# KiCad board PCB.kicad_pcb (continued)
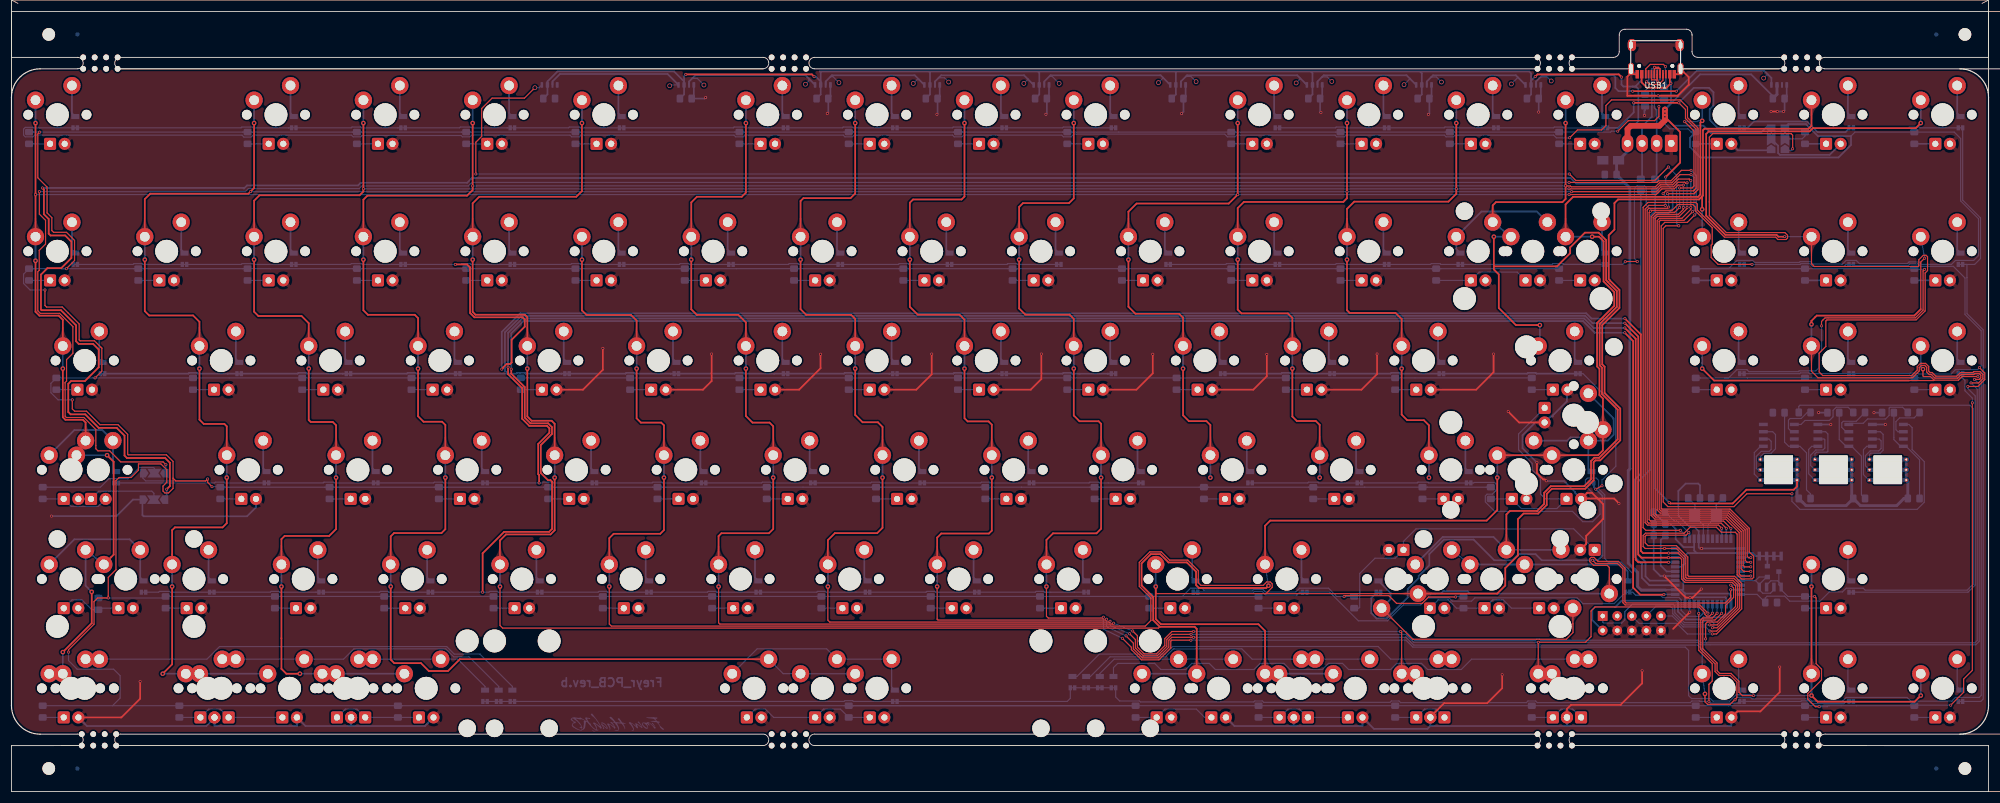
[diagram p0: board, top side]
## Copper pours and planes (outline as drawn; the poured copper is in the pictures) (continued)
Net-(D88-Pad2) on Bottom: 186.9,38.87 186.91,39.13 186.94,39.38 186.98,39.62 187.05,39.85 187.13,40.07 187.23,40.29 187.34,40.49 187.48,40.69 187.63,40.88 187.8,41.06 186.75,42.88 185.7,41.06 185.87,40.88 186.03,40.69 186.16,40.49 186.28,40.29 186.38,40.07 186.46,39.85 186.52,39.62 186.57,39.38 186.59,39.13 186.6,38.87
Net-(D89-Pad2) on Bottom: 320.2,19.7 320.21,19.97 320.24,20.23 320.29,20.49 320.35,20.73 320.44,20.97 320.54,21.19 320.67,21.41 320.81,21.62 320.97,21.82 321.15,22.01 320.1,23.83 319.05,22.01 319.23,21.82 319.39,21.62 319.54,21.41 319.66,21.19 319.76,20.97 319.85,20.73 319.92,20.49 319.96,20.23 319.99,19.97 320,19.7
Net-(D90-Pad2) on Bottom: 339.25,19.7 339.26,19.97 339.29,20.23 339.34,20.49 339.4,20.73 339.49,20.97 339.59,21.19 339.72,21.41 339.86,21.62 340.02,21.82 340.2,22.01 339.15,23.83 338.1,22.01 338.28,21.82 338.44,21.62 338.59,21.41 338.71,21.19 338.81,20.97 338.9,20.73 338.97,20.49 339.01,20.23 339.04,19.97 339.05,19.7
Net-(D91-Pad2) on Top: 272.26,29.24 272.27,29.38 272.3,29.54 272.34,29.69 272.41,29.85 272.5,30.02 272.6,30.19 272.72,30.36 272.87,30.53 273.03,30.71 273.21,30.9 272.16,32.72 271.11,30.9 271.29,30.71 271.45,30.53 271.59,30.36 271.72,30.19 271.82,30.02 271.91,29.85 271.97,29.69 272.02,29.54 272.05,29.38 272.06,29.24
Net-(D91-Pad2) on Top: 241.28,29.65 241.1,29.85 240.93,30.05 240.79,30.27 240.66,30.49 240.56,30.71 240.47,30.95 240.4,31.19 240.36,31.44 240.33,31.69 240.32,31.95 238.29,32.5 238.84,30.47 239.1,30.46 239.35,30.44 239.6,30.39 239.84,30.32 240.08,30.24 240.3,30.13 240.52,30 240.74,29.86 240.94,29.69 241.14,29.51
Net-(D91-Pad2) on Bottom: 240.27,33.63 240.23,33.6 240.16,33.57 240.07,33.54 239.96,33.52 239.83,33.5 239.67,33.49 239.5,33.48 239.3,33.47 239.08,33.47 238.84,33.47 238.29,31.44 240.32,31.98 240.32,32.23 240.32,32.45 240.33,32.64 240.34,32.82 240.36,32.97 240.37,33.11 240.4,33.22 240.42,33.31 240.45,33.37 240.48,33.42
Net-(D92-Pad2) on Bottom: 225,38.87 225.01,39.13 225.04,39.38 225.08,39.62 225.15,39.85 225.23,40.07 225.33,40.29 225.44,40.49 225.58,40.69 225.73,40.88 225.9,41.06 224.85,42.88 223.8,41.06 223.97,40.88 224.13,40.69 224.26,40.49 224.38,40.29 224.48,40.07 224.56,39.85 224.62,39.62 224.67,39.38 224.69,39.13 224.7,38.87
Net-(D93-Pad2) on Bottom: 277.39,96.02 277.4,96.28 277.43,96.53 277.47,96.77 277.53,97 277.61,97.22 277.71,97.44 277.83,97.64 277.97,97.84 278.12,98.03 278.29,98.21 277.24,100.03 276.19,98.21 276.36,98.03 276.51,97.84 276.65,97.64 276.77,97.44 276.86,97.22 276.95,97 277.01,96.77 277.05,96.53 277.08,96.28 277.09,96.02
Net-(D94-Pad1) on Bottom: 4.44,89.02 4.62,89.01 4.79,88.99 4.96,88.96 5.12,88.92 5.28,88.86 5.43,88.79 5.58,88.71 5.72,88.61 5.85,88.51 5.98,88.38 7.25,89.12 5.98,89.85 5.85,89.73 5.72,89.63 5.58,89.53 5.43,89.45 5.28,89.38 5.12,89.32 4.96,89.28 4.79,89.25 4.62,89.23 4.44,89.22
Net-(D95-Pad1) on Bottom: 9.2,69.97 9.38,69.96 9.55,69.94 9.72,69.91 9.89,69.87 10.04,69.81 10.2,69.74 10.34,69.66 10.48,69.56 10.61,69.46 10.74,69.33 12.02,70.07 10.74,70.8 10.61,70.68 10.48,70.58 10.34,70.48 10.2,70.4 10.04,70.33 9.89,70.27 9.72,70.23 9.55,70.2 9.38,70.18 9.2,70.17
Net-(D96-Pad1) on Bottom: 10.48,49.79 10.42,49.86 10.36,49.94 10.31,50.04 10.27,50.14 10.24,50.26 10.21,50.39 10.19,50.53 10.17,50.68 10.16,50.84 10.16,51.01 8.74,51.39 9.12,49.97 9.29,49.97 9.45,49.96 9.6,49.94 9.74,49.92 9.87,49.89 9.99,49.86 10.09,49.82 10.19,49.77 10.27,49.71 10.34,49.65
Net-(D96-Pad1) on Bottom: 15.43,49.9 15.46,49.91 15.5,49.93 15.55,49.94 15.63,49.95 15.72,49.96 15.82,49.96 15.94,49.97 16.08,49.97 16.23,49.97 16.4,49.97 16.78,51.39 15.36,51.01 15.36,50.84 15.36,50.69 15.36,50.55 15.36,50.43 15.35,50.32 15.34,50.23 15.33,50.16 15.32,50.1 15.31,50.06 15.29,50.04
Net-(D96-Pad1) on Bottom: 6.82,50.92 7,50.91 7.17,50.89 7.34,50.86 7.51,50.82 7.66,50.76 7.81,50.69 7.96,50.61 8.1,50.51 8.23,50.41 8.36,50.28 9.64,51.02 8.36,51.75 8.23,51.63 8.1,51.53 7.96,51.43 7.81,51.35 7.66,51.28 7.51,51.22 7.34,51.18 7.17,51.15 7,51.13 6.82,51.12
Net-(D96-Pad2) on Bottom: 14.83,52.12 14.81,52.11 14.77,52.1 14.72,52.09 14.65,52.08 14.56,52.08 14.46,52.07 14.34,52.07 14.21,52.07 14.05,52.07 13.88,52.07 13.5,50.65 14.92,51.03 14.92,51.2 14.92,51.35 14.92,51.49 14.93,51.61 14.93,51.71 14.94,51.8 14.94,51.87 14.95,51.92 14.96,51.96 14.97,51.98
Net-(D98-Pad1) on Bottom: 16.34,31.87 16.52,31.86 16.7,31.84 16.87,31.81 17.03,31.77 17.19,31.71 17.34,31.64 17.49,31.56 17.62,31.46 17.76,31.36 17.89,31.23 19.16,31.97 17.89,32.7 17.76,32.58 17.62,32.48 17.49,32.38 17.34,32.3 17.19,32.23 17.03,32.17 16.87,32.13 16.7,32.1 16.52,32.08 16.34,32.07
Net-(D98-Pad1) on Bottom: 10.49,33.49 10.39,33.4 10.28,33.32 10.17,33.25 10.04,33.18 9.91,33.13 9.77,33.09 9.62,33.06 9.46,33.04 9.29,33.02 9.12,33.02 8.74,31.6 10.16,31.98 10.16,32.15 10.18,32.32 10.2,32.48 10.23,32.63 10.27,32.77 10.33,32.9 10.39,33.02 10.46,33.14 10.54,33.25 10.63,33.35
Net-(D100-Pad1) on Bottom: 6.82,12.82 7,12.81 7.17,12.79 7.34,12.76 7.51,12.72 7.66,12.66 7.81,12.59 7.96,12.51 8.1,12.41 8.23,12.31 8.36,12.18 9.64,12.92 8.36,13.65 8.23,13.53 8.1,13.43 7.96,13.33 7.81,13.25 7.66,13.18 7.51,13.12 7.34,13.08 7.17,13.05 7,13.03 6.82,13.02
Net-(D102-Pad1) on Bottom: 213.99,112.83 214.17,112.83 214.34,112.81 214.51,112.78 214.67,112.73 214.83,112.67 214.98,112.6 215.13,112.52 215.27,112.43 215.4,112.32 215.53,112.2 216.8,112.93 215.53,113.67 215.4,113.55 215.27,113.44 215.13,113.34 214.98,113.26 214.83,113.19 214.67,113.13 214.51,113.09 214.34,113.06 214.17,113.04 213.99,113.03
Net-(D103-Pad2) on Bottom: 220.24,119.83 220.25,120.09 220.28,120.34 220.32,120.58 220.38,120.81 220.46,121.03 220.56,121.25 220.68,121.45 220.82,121.65 220.97,121.84 221.14,122.02 220.09,123.84 219.04,122.02 219.21,121.84 219.36,121.65 219.5,121.45 219.62,121.25 219.71,121.03 219.8,120.81 219.86,120.58 219.9,120.34 219.93,120.09 219.94,119.83
Net-(D105-Pad1) on Bottom: 194.94,89.02 195.12,89.01 195.29,88.99 195.46,88.96 195.62,88.92 195.78,88.86 195.93,88.79 196.08,88.71 196.22,88.61 196.35,88.51 196.48,88.38 197.75,89.12 196.48,89.85 196.35,89.73 196.22,89.63 196.08,89.53 195.93,89.45 195.78,89.38 195.62,89.32 195.46,89.28 195.29,89.25 195.12,89.23 194.94,89.22
Net-(D106-Pad1) on Bottom: 204.46,69.97 204.64,69.96 204.82,69.94 204.99,69.91 205.15,69.87 205.31,69.81 205.46,69.74 205.6,69.66 205.74,69.56 205.88,69.46 206,69.33 207.28,70.07 206,70.8 205.88,70.68 205.74,70.58 205.6,70.48 205.46,70.4 205.31,70.33 205.15,70.27 204.99,70.23 204.82,70.2 204.64,70.18 204.46,70.17
Net-(D107-Pad1) on Bottom: 209.22,50.92 209.4,50.91 209.58,50.89 209.75,50.86 209.91,50.82 210.07,50.76 210.22,50.69 210.37,50.61 210.51,50.51 210.64,50.41 210.77,50.28 212.04,51.02 210.77,51.75 210.64,51.63 210.51,51.53 210.37,51.43 210.22,51.35 210.07,51.28 209.91,51.22 209.75,51.18 209.58,51.15 209.4,51.13 209.22,51.12
Net-(D108-Pad1) on Bottom: 42.54,112.83 42.72,112.83 42.89,112.81 43.06,112.78 43.22,112.73 43.38,112.67 43.53,112.6 43.68,112.52 43.82,112.43 43.95,112.32 44.08,112.2 45.35,112.93 44.08,113.67 43.95,113.55 43.82,113.44 43.68,113.34 43.53,113.26 43.38,113.19 43.22,113.13 43.06,113.09 42.89,113.06 42.72,113.04 42.54,113.03
Net-(D110-Pad1) on Bottom: 23.49,89.02 23.67,89.01 23.84,88.99 24.01,88.96 24.17,88.92 24.33,88.86 24.48,88.79 24.63,88.71 24.77,88.61 24.9,88.51 25.03,88.38 26.3,89.12 25.03,89.85 24.9,89.73 24.77,89.63 24.63,89.53 24.48,89.45 24.33,89.38 24.17,89.32 24.01,89.28 23.84,89.25 23.67,89.23 23.49,89.22
Net-(D111-Pad1) on Bottom: 33.01,69.97 33.19,69.96 33.37,69.94 33.54,69.91 33.7,69.87 33.86,69.81 34.01,69.74 34.15,69.66 34.29,69.56 34.43,69.46 34.55,69.33 35.83,70.07 34.55,70.8 34.43,70.68 34.29,70.58 34.15,70.48 34.01,70.4 33.86,70.33 33.7,70.27 33.54,70.23 33.37,70.2 33.19,70.18 33.01,70.17
Net-(D112-Pad1) on Bottom: 37.77,50.92 37.95,50.91 38.13,50.89 38.3,50.86 38.46,50.82 38.62,50.76 38.77,50.69 38.92,50.61 39.06,50.51 39.19,50.41 39.32,50.28 40.59,51.02 39.32,51.75 39.19,51.63 39.06,51.53 38.92,51.43 38.77,51.35 38.62,51.28 38.46,51.22 38.3,51.18 38.13,51.15 37.95,51.13 37.77,51.12
Net-(D113-Pad1) on Bottom: 28.25,31.87 28.43,31.86 28.6,31.84 28.77,31.81 28.94,31.77 29.09,31.71 29.25,31.64 29.39,31.56 29.53,31.46 29.66,31.36 29.79,31.23 31.07,31.97 29.79,32.7 29.66,32.58 29.53,32.48 29.39,32.38 29.25,32.3 29.09,32.23 28.94,32.17 28.77,32.13 28.6,32.1 28.43,32.08 28.25,32.07
Net-(D114-Pad1) on Bottom: 40.14,13.02 39.96,13.03 39.78,13.05 39.61,13.08 39.45,13.12 39.29,13.18 39.14,13.25 38.99,13.33 38.85,13.43 38.72,13.53 38.59,13.65 37.32,12.92 38.59,12.18 38.72,12.31 38.85,12.41 38.99,12.51 39.14,12.59 39.29,12.66 39.45,12.72 39.61,12.76 39.78,12.79 39.96,12.81 40.14,12.82
Net-(D114-Pad1) on Bottom: 36.32,14.3 36.41,14.2 36.5,14.09 36.57,13.97 36.63,13.85 36.68,13.72 36.72,13.58 36.76,13.43 36.78,13.27 36.79,13.1 36.79,12.93 38.22,12.55 37.83,13.97 37.66,13.97 37.49,13.99 37.34,14.01 37.19,14.04 37.05,14.08 36.91,14.13 36.79,14.2 36.67,14.27 36.56,14.35 36.46,14.44
Net-(D114-Pad1) on Bottom: 33.88,14.02 33.86,14.01 33.82,14 33.77,13.99 33.7,13.98 33.61,13.98 33.51,13.97 33.39,13.97 33.26,13.97 33.1,13.97 32.93,13.97 32.55,12.55 33.97,12.93 33.97,13.1 33.97,13.25 33.97,13.39 33.98,13.51 33.98,13.61 33.99,13.7 33.99,13.77 34,13.82 34.01,13.86 34.02,13.88
Net-(D114-Pad1) on Bottom: 30.63,12.82 30.81,12.81 30.99,12.79 31.16,12.76 31.32,12.72 31.48,12.66 31.63,12.59 31.77,12.51 31.91,12.41 32.05,12.31 32.17,12.18 33.45,12.92 32.17,13.65 32.05,13.53 31.91,13.43 31.77,13.33 31.63,13.25 31.48,13.18 31.32,13.12 31.16,13.08 30.99,13.05 30.81,13.03 30.63,13.02
Net-(D117-Pad1) on Bottom: 233.04,112.83 233.22,112.83 233.39,112.81 233.56,112.78 233.72,112.73 233.88,112.67 234.03,112.6 234.18,112.52 234.32,112.43 234.45,112.32 234.58,112.2 235.85,112.93 234.58,113.67 234.45,113.55 234.32,113.44 234.18,113.34 234.03,113.26 233.88,113.19 233.72,113.13 233.56,113.09 233.39,113.06 233.22,113.04 233.04,113.03
Net-(D118-Pad1) on Bottom: 213.99,89.02 214.17,89.01 214.34,88.99 214.51,88.96 214.67,88.92 214.83,88.86 214.98,88.79 215.13,88.71 215.27,88.61 215.4,88.51 215.53,88.38 216.8,89.12 215.53,89.85 215.4,89.73 215.27,89.63 215.13,89.53 214.98,89.45 214.83,89.38 214.67,89.32 214.51,89.28 214.34,89.25 214.17,89.23 213.99,89.22
Net-(D119-Pad1) on Bottom: 223.51,69.97 223.69,69.96 223.87,69.94 224.04,69.91 224.2,69.87 224.36,69.81 224.51,69.74 224.65,69.66 224.79,69.56 224.93,69.46 225.05,69.33 226.33,70.07 225.05,70.8 224.93,70.68 224.79,70.58 224.65,70.48 224.51,70.4 224.36,70.33 224.2,70.27 224.04,70.23 223.87,70.2 223.69,70.18 223.51,70.17
Net-(D120-Pad1) on Bottom: 228.27,50.92 228.45,50.91 228.63,50.89 228.8,50.86 228.96,50.82 229.12,50.76 229.27,50.69 229.42,50.61 229.56,50.51 229.69,50.41 229.82,50.28 231.09,51.02 229.82,51.75 229.69,51.63 229.56,51.53 229.42,51.43 229.27,51.35 229.12,51.28 228.96,51.22 228.8,51.18 228.63,51.15 228.45,51.13 228.27,51.12
Net-(D121-Pad1) on Bottom: 61.59,112.83 61.77,112.83 61.94,112.81 62.11,112.78 62.27,112.73 62.43,112.67 62.58,112.6 62.73,112.52 62.87,112.43 63,112.32 63.13,112.2 64.4,112.93 63.13,113.67 63,113.55 62.87,113.44 62.73,113.34 62.58,113.26 62.43,113.19 62.27,113.13 62.11,113.09 61.94,113.06 61.77,113.04 61.59,113.03
Net-(D124-Pad1) on Bottom: 52.06,69.97 52.24,69.96 52.42,69.94 52.59,69.91 52.75,69.87 52.91,69.81 53.06,69.74 53.2,69.66 53.34,69.56 53.48,69.46 53.6,69.33 54.88,70.07 53.6,70.8 53.48,70.68 53.34,70.58 53.2,70.48 53.06,70.4 52.91,70.33 52.75,70.27 52.59,70.23 52.42,70.2 52.24,70.18 52.06,70.17
Net-(D125-Pad1) on Bottom: 56.82,50.92 57,50.91 57.18,50.89 57.35,50.86 57.51,50.82 57.67,50.76 57.82,50.69 57.97,50.61 58.11,50.51 58.24,50.41 58.37,50.28 59.64,51.02 58.37,51.75 58.24,51.63 58.11,51.53 57.97,51.43 57.82,51.35 57.67,51.28 57.51,51.22 57.35,51.18 57.18,51.15 57,51.13 56.82,51.12
Net-(D126-Pad1) on Bottom: 47.3,31.87 47.48,31.86 47.65,31.84 47.82,31.81 47.99,31.77 48.14,31.71 48.3,31.64 48.44,31.56 48.58,31.46 48.71,31.36 48.84,31.23 50.12,31.97 48.84,32.7 48.71,32.58 48.58,32.48 48.44,32.38 48.3,32.3 48.14,32.23 47.99,32.17 47.82,32.13 47.65,32.1 47.48,32.08 47.3,32.07
Net-(D127-Pad1) on Bottom: 68.73,12.82 68.91,12.81 69.09,12.79 69.26,12.76 69.42,12.72 69.58,12.66 69.73,12.59 69.87,12.51 70.01,12.41 70.15,12.31 70.27,12.18 71.55,12.92 70.27,13.65 70.15,13.53 70.01,13.43 69.87,13.33 69.73,13.25 69.58,13.18 69.42,13.12 69.26,13.08 69.09,13.05 68.91,13.03 68.73,13.02
Net-(D127-Pad1) on Bottom: 60.14,14.3 60.23,14.2 60.31,14.09 60.38,13.97 60.44,13.85 60.49,13.72 60.54,13.58 60.57,13.43 60.59,13.27 60.6,13.1 60.61,12.93 62.03,12.55 61.65,13.97 61.47,13.97 61.31,13.99 61.15,14.01 61,14.04 60.86,14.08 60.73,14.13 60.6,14.2 60.49,14.27 60.38,14.35 60.28,14.44
Net-(D127-Pad1) on Bottom: 57.69,14.02 57.67,14.01 57.64,14 57.58,13.99 57.51,13.98 57.43,13.98 57.32,13.97 57.2,13.97 57.07,13.97 56.92,13.97 56.75,13.97 56.36,12.55 57.79,12.93 57.78,13.1 57.78,13.25 57.79,13.39 57.79,13.51 57.79,13.61 57.8,13.7 57.81,13.77 57.81,13.82 57.82,13.86 57.83,13.88
Net-(D130-Pad1) on Bottom: 252.09,112.83 252.27,112.83 252.44,112.81 252.61,112.78 252.77,112.73 252.93,112.67 253.08,112.6 253.23,112.52 253.37,112.43 253.5,112.32 253.63,112.2 254.9,112.93 253.63,113.67 253.5,113.55 253.37,113.44 253.23,113.34 253.08,113.26 252.93,113.19 252.77,113.13 252.61,113.09 252.44,113.06 252.27,113.04 252.09,113.03
Net-(D132-Pad1) on Bottom: 233.04,89.02 233.22,89.01 233.39,88.99 233.56,88.96 233.72,88.92 233.88,88.86 234.03,88.79 234.18,88.71 234.32,88.61 234.45,88.51 234.58,88.38 235.85,89.12 234.58,89.85 234.45,89.73 234.32,89.63 234.18,89.53 234.03,89.45 233.88,89.38 233.72,89.32 233.56,89.28 233.39,89.25 233.22,89.23 233.04,89.22
Net-(D133-Pad1) on Bottom: 242.56,69.97 242.74,69.96 242.92,69.94 243.09,69.91 243.25,69.87 243.41,69.81 243.56,69.74 243.7,69.66 243.84,69.56 243.98,69.46 244.1,69.33 245.38,70.07 244.1,70.8 243.98,70.68 243.84,70.58 243.7,70.48 243.56,70.4 243.41,70.33 243.25,70.27 243.09,70.23 242.92,70.2 242.74,70.18 242.56,70.17
Net-(D134-Pad1) on Bottom: 247.32,50.92 247.5,50.91 247.68,50.89 247.85,50.86 248.01,50.82 248.17,50.76 248.32,50.69 248.47,50.61 248.61,50.51 248.74,50.41 248.87,50.28 250.14,51.02 248.87,51.75 248.74,51.63 248.61,51.53 248.47,51.43 248.32,51.35 248.17,51.28 248.01,51.22 247.85,51.18 247.68,51.15 247.5,51.13 247.32,51.12
Net-(D135-Pad1) on Bottom: 80.64,112.83 80.82,112.83 80.99,112.81 81.16,112.78 81.32,112.73 81.48,112.67 81.63,112.6 81.78,112.52 81.92,112.43 82.05,112.32 82.18,112.2 83.45,112.93 82.18,113.67 82.05,113.55 81.92,113.44 81.78,113.34 81.63,113.26 81.48,113.19 81.32,113.13 81.16,113.09 80.99,113.06 80.82,113.04 80.64,113.03
Net-(D137-Pad1) on Bottom: 61.59,89.02 61.77,89.01 61.94,88.99 62.11,88.96 62.27,88.92 62.43,88.86 62.58,88.79 62.73,88.71 62.87,88.61 63,88.51 63.13,88.38 64.4,89.12 63.13,89.85 63,89.73 62.87,89.63 62.73,89.53 62.58,89.45 62.43,89.38 62.27,89.32 62.11,89.28 61.94,89.25 61.77,89.23 61.59,89.22
Net-(D139-Pad1) on Bottom: 75.87,50.92 76.05,50.91 76.23,50.89 76.4,50.86 76.56,50.82 76.72,50.76 76.87,50.69 77.02,50.61 77.16,50.51 77.29,50.41 77.42,50.28 78.69,51.02 77.42,51.75 77.29,51.63 77.16,51.53 77.02,51.43 76.87,51.35 76.72,51.28 76.56,51.22 76.4,51.18 76.23,51.15 76.05,51.13 75.87,51.12
Net-(D141-Pad1) on Bottom: 137.79,12.82 137.97,12.81 138.14,12.79 138.31,12.76 138.47,12.72 138.63,12.66 138.78,12.59 138.93,12.51 139.07,12.41 139.2,12.31 139.33,12.18 140.6,12.92 139.33,13.65 139.2,13.53 139.07,13.43 138.93,13.33 138.78,13.25 138.63,13.18 138.47,13.12 138.31,13.08 138.14,13.05 137.97,13.03 137.79,13.02
Net-(D141-Pad1) on Bottom: 129.13,14.02 129.11,14.01 129.07,14 129.02,13.99 128.95,13.98 128.86,13.98 128.76,13.97 128.64,13.97 128.51,13.97 128.35,13.97 128.18,13.97 127.8,12.55 129.22,12.93 129.22,13.1 129.22,13.25 129.22,13.39 129.23,13.51 129.23,13.61 129.24,13.7 129.24,13.77 129.25,13.82 129.26,13.86 129.27,13.88
Net-(D141-Pad1) on Bottom: 141.04,14.02 141.02,14.01 140.98,14 140.93,13.99 140.86,13.98 140.77,13.98 140.67,13.97 140.55,13.97 140.41,13.97 140.26,13.97 140.09,13.97 139.71,12.55 141.13,12.93 141.13,13.1 141.13,13.25 141.13,13.39 141.13,13.51 141.14,13.61 141.14,13.7 141.15,13.77 141.16,13.82 141.17,13.86 141.18,13.88
Net-(D141-Pad1) on Bottom: 147.31,12.82 147.49,12.81 147.67,12.79 147.84,12.76 148,12.72 148.16,12.66 148.31,12.59 148.45,12.51 148.59,12.41 148.73,12.31 148.85,12.18 150.13,12.92 148.85,13.65 148.73,13.53 148.59,13.43 148.45,13.33 148.31,13.25 148.16,13.18 148,13.12 147.84,13.08 147.67,13.05 147.49,13.03 147.31,13.02
Net-(D144-Pad1) on Bottom: 271.14,112.83 271.32,112.83 271.49,112.81 271.66,112.78 271.82,112.73 271.98,112.67 272.13,112.6 272.28,112.52 272.42,112.43 272.55,112.32 272.68,112.2 273.95,112.93 272.68,113.67 272.55,113.55 272.42,113.44 272.28,113.34 272.13,113.26 271.98,113.19 271.82,113.13 271.66,113.09 271.49,113.06 271.32,113.04 271.14,113.03
Net-(D146-Pad1) on Bottom: 255.76,90.64 255.66,90.55 255.55,90.47 255.43,90.4 255.31,90.33 255.18,90.28 255.04,90.24 254.89,90.21 254.73,90.19 254.56,90.17 254.39,90.17 254.01,88.75 255.43,89.13 255.43,89.3 255.45,89.47 255.47,89.63 255.5,89.78 255.54,89.92 255.59,90.05 255.66,90.17 255.73,90.29 255.81,90.4 255.9,90.5
Net-(D146-Pad1) on Bottom: 262.38,90.5 262.47,90.4 262.56,90.29 262.63,90.17 262.69,90.05 262.74,89.92 262.78,89.78 262.82,89.63 262.84,89.47 262.85,89.3 262.85,89.13 264.28,88.75 263.89,90.17 263.72,90.17 263.55,90.19 263.4,90.21 263.25,90.24 263.11,90.28 262.97,90.33 262.85,90.4 262.73,90.47 262.62,90.55 262.52,90.64
Net-(D146-Pad1) on Bottom: 252.09,89.02 252.27,89.01 252.44,88.99 252.61,88.96 252.77,88.92 252.93,88.86 253.08,88.79 253.23,88.71 253.37,88.61 253.5,88.51 253.63,88.38 254.9,89.12 253.63,89.85 253.5,89.73 253.37,89.63 253.23,89.53 253.08,89.45 252.93,89.38 252.77,89.32 252.61,89.28 252.44,89.25 252.27,89.23 252.09,89.22
Net-(D148-Pad1) on Bottom: 266.37,69.97 266.55,69.96 266.73,69.94 266.9,69.91 267.06,69.87 267.22,69.81 267.37,69.74 267.52,69.66 267.66,69.56 267.79,69.46 267.92,69.33 269.19,70.07 267.92,70.8 267.79,70.68 267.66,70.58 267.52,70.48 267.37,70.4 267.22,70.33 267.06,70.27 266.9,70.23 266.73,70.2 266.55,70.18 266.37,70.17
Net-(D149-Pad1) on Bottom: 263.99,31.87 264.17,31.86 264.35,31.84 264.52,31.81 264.68,31.77 264.84,31.71 264.99,31.64 265.14,31.56 265.27,31.46 265.41,31.36 265.54,31.23 266.81,31.97 265.54,32.7 265.41,32.58 265.27,32.48 265.14,32.38 264.99,32.3 264.84,32.23 264.68,32.17 264.52,32.13 264.35,32.1 264.17,32.08 263.99,32.07
Net-(D149-Pad1) on Bottom: 258.14,33.49 258.04,33.4 257.93,33.32 257.82,33.25 257.69,33.18 257.56,33.13 257.42,33.09 257.27,33.06 257.11,33.04 256.94,33.02 256.77,33.02 256.39,31.6 257.81,31.98 257.81,32.15 257.83,32.32 257.85,32.48 257.88,32.63 257.92,32.77 257.98,32.9 258.04,33.02 258.11,33.14 258.19,33.25 258.28,33.35
Net-(D149-Pad1) on Bottom: 257.72,33.07 257.7,33.06 257.66,33.05 257.61,33.04 257.54,33.03 257.45,33.03 257.35,33.02 257.23,33.02 257.09,33.02 256.94,33.02 256.77,33.02 256.39,31.6 257.81,31.98 257.81,32.15 257.81,32.3 257.81,32.44 257.81,32.56 257.82,32.66 257.82,32.75 257.83,32.82 257.84,32.87 257.85,32.91 257.86,32.93
Net-(D149-Pad1) on Bottom: 254.47,31.87 254.65,31.86 254.82,31.84 254.99,31.81 255.16,31.77 255.31,31.71 255.46,31.64 255.61,31.56 255.75,31.46 255.88,31.36 256.01,31.23 257.29,31.97 256.01,32.7 255.88,32.58 255.75,32.48 255.61,32.38 255.46,32.3 255.31,32.23 255.16,32.17 254.99,32.13 254.82,32.1 254.65,32.08 254.47,32.07
Net-(D149-Pad1) on Bottom: 248.61,33.49 248.51,33.39 248.39,33.3 248.27,33.22 248.14,33.15 248.01,33.1 247.87,33.05 247.72,33.01 247.57,32.99 247.41,32.97 247.25,32.97 246.88,31.62 248.24,31.98 248.24,32.14 248.25,32.3 248.28,32.46 248.31,32.6 248.36,32.74 248.42,32.88 248.49,33 248.57,33.13 248.66,33.24 248.76,33.35
Net-(D152-Pad1) on Bottom: 99.69,112.83 99.87,112.83 100.04,112.81 100.21,112.78 100.37,112.73 100.53,112.67 100.68,112.6 100.83,112.52 100.97,112.43 101.1,112.32 101.23,112.2 102.5,112.93 101.23,113.67 101.1,113.55 100.97,113.44 100.83,113.34 100.68,113.26 100.53,113.19 100.37,113.13 100.21,113.09 100.04,113.06 99.87,113.04 99.69,113.03
Net-(D154-Pad1) on Bottom: 80.64,89.02 80.82,89.01 80.99,88.99 81.16,88.96 81.32,88.92 81.48,88.86 81.63,88.79 81.78,88.71 81.92,88.61 82.05,88.51 82.18,88.38 83.45,89.12 82.18,89.85 82.05,89.73 81.92,89.63 81.78,89.53 81.63,89.45 81.48,89.38 81.32,89.32 81.16,89.28 80.99,89.25 80.82,89.23 80.64,89.22
Net-(D155-Pad1) on Bottom: 90.16,69.97 90.34,69.96 90.52,69.94 90.69,69.91 90.85,69.87 91.01,69.81 91.16,69.74 91.3,69.66 91.44,69.56 91.58,69.46 91.7,69.33 92.98,70.07 91.7,70.8 91.58,70.68 91.44,70.58 91.3,70.48 91.16,70.4 91.01,70.33 90.85,70.27 90.69,70.23 90.52,70.2 90.34,70.18 90.16,70.17
Net-(D156-Pad1) on Bottom: 94.92,50.92 95.1,50.91 95.28,50.89 95.45,50.86 95.61,50.82 95.77,50.76 95.92,50.69 96.07,50.61 96.21,50.51 96.34,50.41 96.47,50.28 97.74,51.02 96.47,51.75 96.34,51.63 96.21,51.53 96.07,51.43 95.92,51.35 95.77,51.28 95.61,51.22 95.45,51.18 95.28,51.15 95.1,51.13 94.92,51.12
Net-(D157-Pad1) on Bottom: 85.4,31.87 85.58,31.86 85.75,31.84 85.92,31.81 86.09,31.77 86.24,31.71 86.4,31.64 86.54,31.56 86.68,31.46 86.81,31.36 86.94,31.23 88.22,31.97 86.94,32.7 86.81,32.58 86.68,32.48 86.54,32.38 86.4,32.3 86.24,32.23 86.09,32.17 85.92,32.13 85.75,32.1 85.58,32.08 85.4,32.07
Net-(D158-Pad1) on Bottom: 200.57,14.02 200.55,14.01 200.51,14 200.46,13.99 200.39,13.98 200.3,13.98 200.2,13.97 200.08,13.97 199.94,13.97 199.79,13.97 199.62,13.97 199.24,12.55 200.66,12.93 200.66,13.1 200.66,13.25 200.66,13.39 200.66,13.51 200.67,13.61 200.67,13.7 200.68,13.77 200.69,13.82 200.7,13.86 200.71,13.88
Net-(D158-Pad1) on Bottom: 197.32,12.82 197.5,12.81 197.67,12.79 197.84,12.76 198.01,12.72 198.16,12.66 198.31,12.59 198.46,12.51 198.6,12.41 198.73,12.31 198.86,12.18 200.14,12.92 198.86,13.65 198.73,13.53 198.6,13.43 198.46,13.33 198.31,13.25 198.16,13.18 198.01,13.12 197.84,13.08 197.67,13.05 197.5,13.03 197.32,13.02
Net-(D161-Pad1) on Bottom: 295.07,112.78 295.24,112.78 295.4,112.76 295.55,112.73 295.7,112.69 295.85,112.64 295.99,112.57 296.12,112.5 296.25,112.41 296.37,112.31 296.49,112.2 297.77,112.93 296.49,113.67 296.37,113.56 296.25,113.46 296.12,113.37 295.99,113.29 295.85,113.23 295.7,113.18 295.55,113.13 295.4,113.11 295.24,113.09 295.07,113.08
Net-(D162-Pad1) on Bottom: 271.14,89.02 271.32,89.01 271.49,88.99 271.66,88.96 271.82,88.92 271.98,88.86 272.13,88.79 272.28,88.71 272.42,88.61 272.55,88.51 272.68,88.38 273.95,89.12 272.68,89.85 272.55,89.73 272.42,89.63 272.28,89.53 272.13,89.45 271.98,89.38 271.82,89.32 271.66,89.28 271.49,89.25 271.32,89.23 271.14,89.22
Net-(D163-Pad1) on Bottom: 265.69,65.2 265.82,65.33 265.96,65.44 266.1,65.53 266.25,65.62 266.4,65.69 266.55,65.75 266.72,65.79 266.88,65.82 267.05,65.84 267.23,65.84 267.61,67.27 266.19,66.88 266.18,66.71 266.17,66.54 266.13,66.37 266.09,66.21 266.03,66.05 265.96,65.9 265.88,65.76 265.78,65.61 265.67,65.48 265.55,65.34
Net-(D163-Pad1) on Bottom: 268.75,50.92 268.94,50.91 269.11,50.89 269.28,50.86 269.44,50.82 269.6,50.76 269.75,50.69 269.9,50.61 270.04,50.51 270.17,50.41 270.3,50.28 271.57,51.02 270.3,51.75 270.17,51.63 270.04,51.53 269.9,51.43 269.75,51.35 269.6,51.28 269.44,51.22 269.28,51.18 269.11,51.15 268.94,51.13 268.75,51.12
Net-(D163-Pad1) on Bottom: 263.22,49.47 263.09,49.6 262.98,49.74 262.88,49.88 262.8,50.03 262.73,50.18 262.67,50.34 262.63,50.5 262.6,50.66 262.58,50.83 262.57,51.01 261.15,51.39 261.53,49.97 261.71,49.97 261.88,49.95 262.05,49.92 262.21,49.87 262.36,49.81 262.51,49.74 262.66,49.66 262.8,49.56 262.94,49.45 263.07,49.33
Net-(D163-Pad1) on Bottom: 270.09,49.92 270.11,49.93 270.15,49.94 270.2,49.95 270.27,49.96 270.36,49.96 270.46,49.97 270.58,49.97 270.72,49.97 270.87,49.97 271.04,49.97 271.42,51.39 270,51.01 270,50.84 270,50.69 270,50.55 269.99,50.43 269.99,50.33 269.98,50.24 269.98,50.17 269.97,50.12 269.96,50.08 269.95,50.06
Net-(D163-Pad1) on Bottom: 259.23,50.92 259.41,50.91 259.59,50.89 259.76,50.86 259.92,50.82 260.08,50.76 260.23,50.69 260.37,50.61 260.51,50.51 260.65,50.41 260.77,50.28 262.05,51.02 260.77,51.75 260.65,51.63 260.51,51.53 260.37,51.43 260.23,51.35 260.08,51.28 259.92,51.22 259.76,51.18 259.59,51.15 259.41,51.13 259.23,51.12
Net-(D166-Pad1) on Bottom: 218.75,31.87 218.93,31.86 219.1,31.84 219.27,31.81 219.44,31.77 219.59,31.71 219.75,31.64 219.89,31.56 220.03,31.46 220.16,31.36 220.29,31.23 221.57,31.97 220.29,32.7 220.16,32.58 220.03,32.48 219.89,32.38 219.75,32.3 219.59,32.23 219.44,32.17 219.27,32.13 219.1,32.1 218.93,32.08 218.75,32.07
Net-(D168-Pad1) on Bottom: 99.69,89.02 99.87,89.01 100.04,88.99 100.21,88.96 100.37,88.92 100.53,88.86 100.68,88.79 100.83,88.71 100.97,88.61 101.1,88.51 101.23,88.38 102.5,89.12 101.23,89.85 101.1,89.73 100.97,89.63 100.83,89.53 100.68,89.45 100.53,89.38 100.37,89.32 100.21,89.28 100.04,89.25 99.87,89.23 99.69,89.22
